# KiCad board RUSP_Mainboard.kicad_pcb (continued)
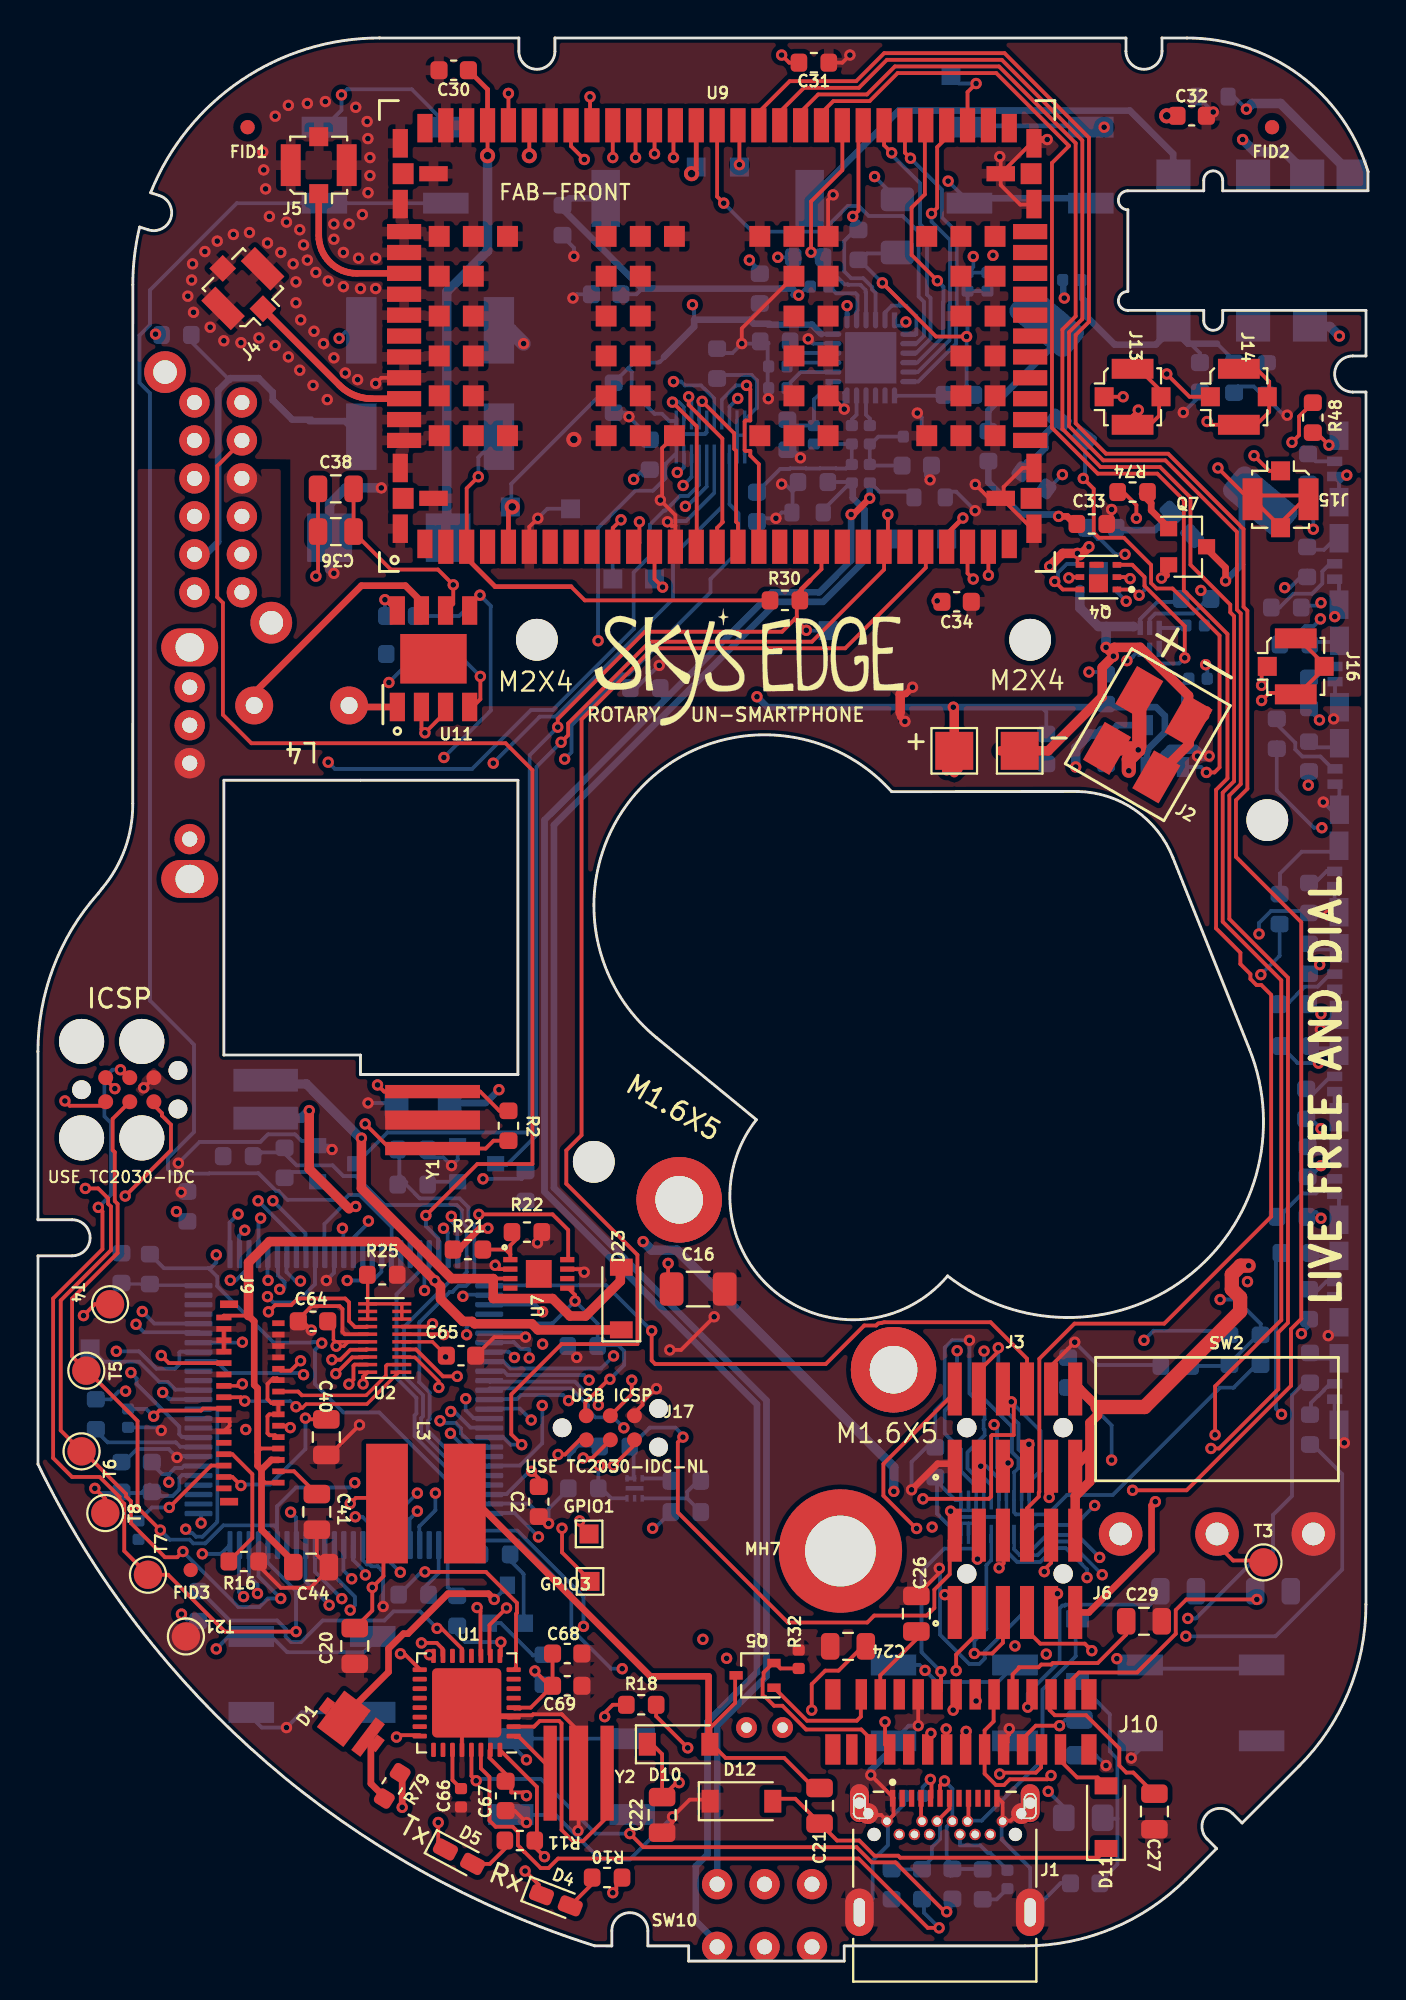
[diagram p0: board, top side]
## Routing (per net, layer and track width the routed paths; a pad name or vN(x,y) marks a point on that pad's centre or on a via; arc(x,y) is an arc through that point) (continued)
/3v3_EN: length 35.3
  L2_3v3+GNDA.Cu w0.2: v1(32.4,22.8) 31.2,21.6 16.94,21.6 13,25.55 13,26.63 12.7,26.93 12.7,35.2 ; v1(12.74,35.39) 12.74,35.34 12.65,35.25 12.7,35.2
  L6_GND.Cu w0.2: R19.2 32.51,22.8 v1(32.4,22.8) ; 12.65,37.35 12.65,36.12 13,35.77 13,35.5 12.7,35.2
/12v_EN: length 19.4
  L1_GND+GNDA.Cu w0.2: v1(23.24,39.33) 27.13,39.33 27.95,38.51 27.95,36.95
  L2_3v3+GNDA.Cu w0.2: v1(13.84,35.82) 14.62,36.6 20.51,36.6 v1(23.24,39.33)
  L6_GND.Cu w0.2: v1(13.84,35.82) 13.58,35.82 13.1,36.3 13.1,37.25
/EPAPER DRIVER/VDD: length 8.7
  L1_GND+GNDA.Cu w0.2: C29.1 57.36,17.2 55.86,15.7 53.49,15.7 53.41,15.62 52.89,15.62 52.74,15.47 51.7,15.47 51.7,15.42 51.37,15.1 51.37,14.03
GND: length 255
  L1_GND+GNDA.Cu w0.18: v1(54.79,74.15) 54.79,73.68 54.94,73.53
  L1_GND+GNDA.Cu w0.2: v1(18.29,71.71) 18.86,71.14 U11.8 ; v1(51.2,12.24) 51.2,11.94 51.11,11.85 51.11,11.51 50.87,11.28 ; v1(26.33,37.83) 26.33,37.98 26.26,38.05 ; U2.15 16.18,33.02 16.05,33.15 16.05,34.35 15.9,34.5 14.42,34.5 13.62,33.7 ; v1(35.65,33.94) 33.9,32.19 v1(33.31,32.19) ; J9.29 J9.27 J9.25 ; 15.16,26.66 C40.2 15.37,26.66 v1(16.95,28.24) ; U1.33 23.25,12.95 26.05,12.95 26.1,13 27.61,13 ; v1(43.9,9.8) 45.1,8.6 45.1,7.7 44.8,7.4 ; C41.2 14.7,21.4 15.15,20.95 ; 7.34,26.62 7.34,26.54 v1(7.33,26.53) 7.33,26.55 7.21,26.67 ; v1(14.41,33.24) 13.95,33.7 C64.2 ; v1(28.79,36.29) 28.63,36.45 U7.7 ; J9.11 10.1,28.2 10.1,28.4 10,28.5 J9.13 ; J9.20 12.67,30.62 12.6,30.7 12.4,30.7 12.1,30.4 12.1,29.6 12.3,29.4 J9.16 J9.14 12.2,28.8 12.1,28.7 12.1,27.8 12.2,27.7 12.5,27.7 12.6,27.6 J9.10 ; 15.3,20.6 14.36,19.66 12.8,19.66 11.64,20.82 R16.2 ; U1.28 22.35,12.55 22.6,12.8 ; 23.5,13.35 24,12.85 U1.3 ; C65.2 24.05,32.87 v1(25.7,32.87) ; v1(54.65,32.6) 53.45,31.4 53.45,30.05 ; Q7.2 59.6,73.23 v1(59.22,72.85) ; 44.3,7.69 44.3,7.69 44.45,7.69 44.75,7.39 ; v1(47.51,20.69) 47.51,20.45 C26.2 ; v1(26.92,23.05) 26.4,23.57 26.4,23.72 ; 13.8,33.7 13.9,33.6 ; U7.2 24.3,36.45 v1(24.1,36.65) ; v1(47.8,19.3) 48.33,18.78 48.33,18.36 ; C22.1 33.45,7.31 v1(33.45,7.6) 34.35,8.5 35.55,8.5 ; 31.23,28.73 J17.6 31.44,28.88 31.87,29.3 31.87,29.47 32.55,30.15 v1(32.6,30.15) ; C38.1 14.76,73.06 v1(14.65,72.95) ; v1(28.46,6.86) 28.5,6.9 Y2.2 28.5,12.11 27.6,13.01 ; J10.8 v1(46.4,12.4) ; 50.55,8.65 50.85,8.35 50.85,7.39 51.27,7.39 51.38,7.5 51.38,7.5 ; v1(25.75,7.3) 25.14,7.91 24.95,7.91 ; J7.6 v1(5.58,46)
  L1_GND+GNDA.Cu w0.35: NT2.1 45.45,65.55 v1(45.7,65.3) ; J3.1 48.33,26.17 48.3,26.2 47.42,26.2 v1(46.05,24.82) ; v1(59.22,72.85) 59.37,73 59.5,73
  L1_GND+GNDA.Cu w0.5: v1(53.33,73.46) 54.02,74.15 v1(54.79,74.15) ; 54.92,74.02 v1(55.4,74.5)
  L2_3v3+GNDA.Cu w0.2: v1(7.4,42.03) 7.4,43.65 5.58,45.48 v1(5.58,46)
  L6_GND.Cu w0.18: 31.85,25.42 31.92,25.42 31.92,25.42 ; U8.15 50.25,25.07
  L6_GND.Cu w0.2: 50.05,88.9 50.02,88.93 C58.2 49.3,89.24 v1(49.3,89.79) ; 24.6,7.7 27.29,7.7 29.64,5.35 31.2,5.35 v1(33.45,7.6) ; v1(67.6,49.07) 68.37,49.85 68.58,49.85 68.58,51.02 68.4,51.2 ; 68.35,56.55 68.35,55.42 v1(68.02,55.09) ; SW8.2 13.9,13.1 v1(13.1,12.3) 11.8,12.3 11.2,12.9 ; C43.1 6.33,28.11 v1(6.5,27.95) ; 15.2,96.7 16,97.5 v1(16,98.3) 16.3,98.6 19.7,98.6 21.7,96.6 ; v1(46.4,12.4) 45.9,12.4 SW6.2 ; C9.2 50.54,3.25 51.1,3.81 ; 68.35,78.15 68.58,77.92 68.58,76.85 ; 33.37,25.42 31.92,25.42 31.92,25.42 ; v1(68.86,27.3) 68.58,27.58 68.58,28.25 ; v1(28.4,31.8) 27.92,32.27 C6.2 ; 43.2,2.5 44,3.3 44,5.3 44.8,6.1 44.8,7.45 ; v1(15.2,35.85) 15.6,36.25 15.6,37.2 ; 28,26.36 28,26.61 28.27,26.89 28.27,26.96 28.48,27.16 29.55,27.16 C72.1 ; 7.88,40.23 7.61,40.5 v1(7.55,40.5) ; SW3.2 58.1,11.17 v1(57.63,10.69) ; v1(67.75,61.05) 68.15,60.65 68.6,60.65 68.6,61.8 68.45,61.95 ; 50.25,25.07 49.81,25.52 49.43,25.52 49,25.95 49,26.8 49.9,27.7 49.9,27.98 49.85,28.03 49.85,28.49 49.9,28.54 49.9,29.1 49.1,29.9 v1(49.1,32.7) 48.19,32.7 47.8,32.31 47.8,29.5 47.3,29 R75.2 46.83,27.06 46.05,26.29 v1(46.05,24.82) ; v1(61.55,68.29) 61.64,68.2 R14.1 ; 4.45,26.2 5.23,26.98 6.89,26.98 v1(7.33,26.53) 7.4,26.6 8.5,26.6 ; 68.6,66.05 68.3,65.75 v1(68.3,65.44) ; v1(45.75,86.34) 45.55,86.14 U12.12 ; v1(7.4,42.03) 8.52,43.15 11.73,43.15 12.13,43.55 13.55,43.55 13.9,43.2 14.35,43.2 ; 47.5,27.04 47.42,27.11 ; 44.8,7.4 45.67,8.26 R5.2 ; 51.9,18.3 49.91,16.31 49.91,15.94 49.62,15.65 49.09,15.65 47.55,17.2 47.55,20.65 v1(47.51,20.69) ; v1(68.36,70.82) 68.58,71.04 68.58,72.72 68.45,72.85 ; 59,31.4 55.85,31.4 v1(54.65,32.6) 54.3,32.25 54.3,31.48 ; v1(18.29,71.71) 18.29,70.96 18.3,70.95 ; 20.36,42.32 21.38,42.32 v1(21.8,41.9) 22.12,42.23 Q1.2 ; 28,24.9 26.92,23.82 v1(26.92,23.05) 25.87,24.1 23.75,24.1 ; v1(51.2,12.24) 51.5,11.94 SW6.2 ; C25.2 55.76,10.84 v1(56.3,10.3) ; v1(37.5,89.6) 38.15,88.95 38.15,88.85 ; 68.37,67.4 68.37,66.33 68.55,66.15 ; 68.58,77.86 v1(68.99,78.27) ; D25.4 68.58,44.2 ; 68.35,40.4 68.58,40.17 68.58,39.05 ; 54.71,4.1 53.9,4.1 52.5,2.7 52.2,2.7 ; 68.55,44.45 68.35,44.65 D25.2 ; 68.58,33.65 68.01,33.08 v1(68.01,32.95) ; C57.2 v1(44.1,94) ; v1(15.87,85.48) 16.19,85.8 17.05,85.8 ; Q6.2 24.4,17.8 26.1,16.1 26.85,16.1 ; 23.75,33.1 25.47,33.1 v1(25.7,32.87) ; 55.7,96.6 v1(56.2,96.6) ; 47.42,27.1 47.48,27.05 ; 68.65,28.05 68.35,28.35 68.35,29.6 ; 17.1,21.95 17.1,21.14 17.35,20.89 17.49,20.89 17.58,20.8 17.91,20.8 18.2,20.51 v1(18.2,18.68) ; v1(15.5,42.75) 15.3,42.95 Q2.2 ; 25.8,7.6 25.8,7.35 v1(25.75,7.3) ; 50.85,7.39 51,7.25 50.8,7.04 50.8,6.41 52.3,4.91 52.3,2.5 ; C17.2 v1(17.4,45.2) ; 68.58,55.25 68.18,55.25
  L6_GND.Cu w0.25: 48.9,96.6 48.98,96.68 55.62,96.68 55.7,96.6
  L6_GND.Cu w0.35: v1(43.9,9.8) 43.91,9.81 43.91,10.06 44.9,11.05
  L6_GND.Cu w0.5: U5.2 59.4,63.53 59.7,63.83 61,63.83 61.12,63.7 v1(61.12,63.47) 61.12,63.48 v1(61.73,63.48)
GNDA: length 81.6
  L1_GND+GNDA.Cu w0.2: U9.121 32.9,79.7 32.9,77.05 v1(32.81,76.96) 33.6,76.16 33.6,75.6 ; v1(26.35,76) 25.9,75.55 U9.6 ; U9.136 41.65,92.77 v1(41.91,93.04) ; C31.2 42.4,100 v1(42.8,100.4) ; U9.32 51.9,78.65 50.9,77.65 50.9,77.1 ; v1(37.1,85.2) 37.1,86 U9.129 ; U9.152 50.75,93.55 51.77,92.52 52.45,92.52 ; U9.152 52.48,95.88 ; U9.152 50.75,95 v1(50.7,95.05) ; 33.6,75.6 33.4,75.6 v1(33.18,75.82) ; 33.6,75.6 U9.13 ; U9.86 18.1,83.4 v1(17.8,83.1) ; U9.30 52.3,75.65 52.2,75.65 50.95,76.9 50.95,77.2 ; 17.5,95.89 v1(17.39,96) ; 41.77,82.27 41.98,82.27 v1(42.5,81.75) ; U9.145 50.14,77.05 v1(49.41,77.78) ; v1(56.59,76.46) 56.59,75.94 56.4,75.75 ; 15.05,85 v1(15.05,85.2)
  L1_GND+GNDA.Cu w0.35: U9.46 52.7,95.95 v1(53.2,95.95) ; NT2.2 45.75,66.75 v1(46.1,67.1) ; 61.75,97.2 v1(61.95,97.4)
  L6_GND.Cu w0.18: U10.15 35.65,77.34
  L6_GND.Cu w0.2: v1(40.6,85.45) 40.85,85.2 U12.5 ; 46.81,78.77 46.81,78.24 v1(47.02,78.02) ; 39.77,76.47 39.77,77.41 ; 39.77,77.41 40.33,77.96 ; 39.77,77.41 39.38,77.8 v1(39.2,77.8) ; 38.5,85.25 38.46,85.21 38.46,82.33 v1(38.5,82.3) ; v1(61.95,97.4) 61.14,98.21 61.08,98.21 ; 63.2,82.94 64.09,82.94 64.5,82.53 ; 35.65,77.34 34.16,75.85 33.22,75.85 v1(33.18,75.82) ; 47.87,77.4 48.4,77.4 v1(49.4,76.4) ; v1(32.75,68.25) 32.73,68.25 31.53,67.05 ; C49.2 38.12,75.82 38.3,76 v1(38.9,76) 39.2,76.3 D16.2 ; 28.05,76.5 26.85,76.5 v1(26.35,76) ; v1(42.5,81.75) 42.5,82.61 U12.24 ; v1(46.35,81.54) 46.58,81.31 46.58,80.3 ; C42.2 32.25,80.25 v1(31.15,81.35) 30.94,81.56 C39.2 ; 64.6,82.5 65.67,81.43 v1(65.85,81.43) ; 27.65,90.85 28.25,90.25 v1(28.25,89.8) ; v1(28.2,87.6) 28.4,87.8 C61.2 ; v1(40.19,79.19) 40.19,79.22 39.5,79.91 ; R33.2 35.8,84.9 36,84.7 36.6,84.7 v1(37.1,85.2) 38.52,85.2 ; C60.2 61.25,82.45 v1(60.37,81.57)
  L6_GND.Cu w0.5: v1(15.6,73.1) 15.38,73.32 15.38,76.75 16.22,77.6 v1(18.1,77.6)
  L6_GND.Cu w0.75: C37.2 24.9,85.9 v1(25.6,85.2)
  vias: v1(7.9,87.7) v1(8.15,89.4) v1(8.1,88.55) v1(8.2,86.85) v1(8.8,90.05) v1(9.08,86.07) v1(9.45,90.6) v1(9.8,85.35) v1(10.3,90.95) v1(10.7,85.25) v1(11.15,91.05) v1(11.65,85.5) v1(11.85,95.3) v1(11.9,94.35) v1(12,93.35) v1(12.1,90.5) v1(12.2,91.9) v1(12.51,97.18) v1(12.5,85.1) v1(12.8,90) v1(13.1,91.6) v1(13.2,97.75) v1(13.2,84.5) v1(13.45,89.4) v1(13.6,88.45) v1(13.6,87.35) v1(13.8,91.2) v1(13.85,86.45) v1(13.8,83.8) v1(14,90.4) v1(14.2,97.85) v1(14.2,89.6) v1(14.55,85.85) v1(14.5,83) v1(14.65,88.95) v1(15.15,97.95) v1(15.3,88.5) v1(15.25,82.25) v1(15.6,91.5) v1(15.6,90.7) v1(15.6,84.45) v1(16.1,90) v1(16.1,88.2) v1(16.2,83.65) v1(16.4,91.5) v1(16.75,97.65) v1(16.9,89.7) v1(16.85,83.3) v1(17,88.1) v1(17.1,92) v1(17.35,96.9) v1(17.4,93.15) v1(17.5,95) v1(17.5,94.05) v1(17.8,89.7) v1(17.8,88.1) v2(28.25,80.15)
VBUS: length 125.1
  L1_GND+GNDA.Cu w0.2: 49.59,17.34 48.4,16.14 v1(48.4,15.3) ; v1(25.75,8.71) 25.58,8.88 24.95,8.88 24.95,9.56 23.8,10.71 23.8,11.1
  L2_3v3+GNDA.Cu w0.2: 48.75,13.55 48.75,14.95 v1(48.4,15.3) ; 48.75,13.55 53.25,9.05 v1(53.25,8.94) ; 48.75,13.55 48.53,13.77 45.43,13.77 45.06,13.4 41.78,13.4 39.08,10.7 34.53,10.7 34.52,10.68 32.58,10.68 30.61,8.71 v1(25.75,8.71)
  L3_3v8+GNDA.Cu w0.2: v1(54,78.3) 55.95,76.35 55.95,74.27 55.75,74.07 55.75,68.97 55.95,68.77 55.95,64.15 v1(54.7,62.9)
  L4_GND.Cu w0.5: v1(54.7,62.9) 55.12,62.9 56.02,62 58.1,62 65.22,54.88 65.22,39.07 60.51,34.36 60.51,32.67 51.77,23.93 51.77,19.71 48.4,16.33 v1(48.4,15.3)
  L6_GND.Cu w0.2: v1(54,78.3) 53.25,77.55 R17.2 ; L1.2 54.08,8.12 v1(53.25,8.94)
  L6_GND.Cu w0.35: U5.4 56.9,65.1 56.35,64.55
  L6_GND.Cu w0.5: C12.1 55.44,64.64 54.7,63.9 v1(54.7,62.9)
+BATT: length 133.5
  L1_GND+GNDA.Cu w0.5: J6.12 54.67,24.49 55.45,25.26 55.45,28.35 55.85,28.75 55.85,29.19 54.9,30.13 J3.12 ; 48.3,62.6 TP2.1 48.3,66 v1(48.25,66.05) ; 47.9,62.7 48.7,63.5 48.45,63.75 ; 48.3,63.2 48.2,63.1 48.5,62.8 ; J3.11 55.45,26.84
  L1_GND+GNDA.Cu w0.75: v1(63.82,36.63) 63.39,36.63 62.93,36.17 62.93,35.39 63.37,34.96 63.37,34.22 58.33,29.19 55.85,29.19 ; 57.92,63.88 58.05,64.01 J2.2 ; 57.92,63.88 v1(58,63.8) 57.5,63.3 v1(57.5,62.7) ; 57.92,63.88 J2.2
  L2_3v3+GNDA.Cu w0.35: v1(37.9,66.6) 26.9,66.6 12.38,81.12 12.38,82.64 11.74,83.28 10.08,83.28 9.5,82.7 9.5,80.85 8.7,80.05
  L5_3v8.Cu w0.75: v1(58,63.8) 58,62.1 65.34,54.76 65.34,38.15 v1(63.82,36.63) ; v1(57.5,62.7) 58,63.2
  L6_GND.Cu w0.2: C13.2 53.15,65.8 52.9,66.05
  L6_GND.Cu w0.35: v1(37.9,66.6) 38.45,66.05 v1(48.25,66.05) 58.94,66.05 59.4,65.59 59.4,64.73 58.45,63.78 U5.3
  L6_GND.Cu w0.5: 57.98,63.78 v1(58,63.8) ; 57.98,63.78 58.45,63.78 ; 57.98,63.78 57.5,63.3 v1(57.5,62.7)
/AREF: length 4
  L1_GND+GNDA.Cu w0.2: v1(26.02,25.8) 26.4,25.42 26.4,24.7
  L6_GND.Cu w0.2: 23.75,24.6 24.7,24.6 25.9,25.8 v1(26.02,25.8)
/AUDIO/BLCK: length 16.3
  L1_GND+GNDA.Cu w0.2: 45.7,96.75 45.7,95.26 v1(45.99,94.97)
  L6_GND.Cu w0.2: U12.18 46.4,83.2 48.4,85.2 48.4,87.08 48.43,87.11 48.43,91.07 47.65,91.85 47.65,93.31 v1(45.99,94.97)
/AUDIO/LRCLK: length 15.3
  L1_GND+GNDA.Cu w0.2: 47.95,96.8 47.95,96.1 47.4,95.55 47.4,92.35 v1(47.1,92.05)
  L6_GND.Cu w0.2: v1(47.1,92.05) 47.1,91.63 48.08,90.65 48.08,87.26 48.05,87.23 48.05,85.38 46.37,83.7 U12.17
/AUDIO/MCLK: length 23.3
  L1_GND+GNDA.Cu w0.2: U9.61 35.8,92.95 v1(36.15,92.6)
  L6_GND.Cu w0.2: v1(36.15,92.6) 37.65,91.1 41.63,91.1 41.67,91.15 41.67,91.44 42.69,92.45 43.26,92.45 43.79,91.92 45.58,91.92 46.43,91.07 46.43,87.68 46.7,87.4 46.7,85.61 46.29,85.2 U12.14
/AUDIO/SCL: length 12.4
  L1_GND+GNDA.Cu w0.2: v1(42.95,91.9) 43.25,92.2 43.25,96.55 43.6,96.9
  L6_GND.Cu w0.2: U12.10 44.15,87.87 43.97,88.05 43.97,88.17 43.5,88.64 42.86,88.64 42.5,89.01 42.5,90.6 43.1,91.2 ; 43.25,91.25 43.25,91.6 v1(42.95,91.9)
/AUDIO/SDA: length 12.8
  L1_GND+GNDA.Cu w0.2: v1(40.75,90.02) 40.75,92.69 42.4,94.34 U9.55
  L6_GND.Cu w0.2: U12.9 43.65,87.88 43.62,87.9 43.62,88.03 43.36,88.29 42.72,88.29 42.69,88.32 42.51,88.32 41.7,89.14 41.7,89.2 ; R36.2 41.02,89.75 v1(40.75,90.02) ; 41.68,89.2 41.68,89.51
/AUDIO/SDIN: length 15
  L1_GND+GNDA.Cu w0.2: 46.75,96.85 46.75,93.06 46.05,92.36 46.05,89.87 v1(47.41,88.51)
  L6_GND.Cu w0.2: U12.16 46.35,84.2 47.7,85.55 47.7,87.37 47.73,87.4 47.73,88.19 v1(47.41,88.51)
/AUDIO/SDOUT: length 14
  L1_GND+GNDA.Cu w0.2: v1(45,95.25) 44.6,95.65 U9.53
  L6_GND.Cu w0.2: U12.15 46.29,84.7 47.05,85.46 47.05,87.6 46.86,87.79 46.86,91.13 46.5,91.49 46.5,93.64 45,95.14 v1(45,95.25)
/CELL MODEM/ANT1: length 7.8
  L1_GND+GNDA.Cu w0.35: U9.81 16.8,88.9 16.6,88.91 16.41,88.94 16.22,88.99 16.03,89.05 15.86,89.14 15.69,89.24 15.53,89.35 15.39,89.49 15.25,89.63 15.14,89.79 15.04,89.96 14.95,90.13 14.89,90.32 14.84,90.51 14.81,90.7 14.8,90.9 J5.1
/CELL MODEM/ANT2: length 9.3
  L1_GND+GNDA.Cu w0.35: U9.87 17.6,82.3 17.48,82.3 17.36,82.31 17.25,82.33 17.13,82.35 17.01,82.37 16.9,82.4 16.79,82.44 16.68,82.48 16.57,82.53 16.46,82.59 16.36,82.64 16.26,82.71 16.16,82.78 16.07,82.85 15.98,82.93 15.89,83.01 J4.1
/CELL MODEM/CTS_1v8: length 10.2
  L1_GND+GNDA.Cu w0.2: v1(34.3,82.4) 34.3,81.98 36.08,80.2 36.08,75.82 36.1,75.8 35.8,75.5 U9.15
  L6_GND.Cu w0.18: U10.3 34.45,82.25 v1(34.3,82.4)
  L6_GND.Cu w0.2: 34.4,82.3 v1(34.3,82.4)
/CELL MODEM/DCD_1v8: length 2.3
  L1_GND+GNDA.Cu w0.2: v1(32.93,72.37) T9.1 U9.12
/CELL MODEM/DSR_1v8: length 4.9
  L1_GND+GNDA.Cu w0.2: U9.10 30.3,75.49 v1(30.73,75.92)
  L6_GND.Cu w0.2: v1(30.73,75.92) 30.3,75.49 30.3,72.75
/CELL MODEM/HOST_SELECT0: length 3.3
  L1_GND+GNDA.Cu w0.25: U9.26 47.9,75.16 v1(48.76,76.01)
  L6_GND.Cu w0.2: T10.1 47.9,75.16 v1(48.76,76.01)
/CELL MODEM/HOST_SELECT1: length 2.6
  L1_GND+GNDA.Cu w0.25: U9.62 34.7,94.4 v2(34.45,94.15)
/CELL MODEM/RI_1v8: length 12
  L1_GND+GNDA.Cu w0.2: 31.4,74.4 31.7,74.7 v1(31.7,75.81)
  L2_3v3+GNDA.Cu w0.2: v1(31.7,75.81) 32.25,76.37 33.05,76.37 33.86,77.18 34.27,77.18 36.89,79.8 v1(36.89,82.31)
  L6_GND.Cu w0.18: 36.45,81.87 36.45,81.37
  L6_GND.Cu w0.2: 36.45,81.87 v1(36.89,82.31)
/CELL MODEM/RTS_1v8: length 9.8
  L1_GND+GNDA.Cu w0.2: 34.73,74.45 34.73,80.84 v1(33.45,82.12)
  L6_GND.Cu w0.18: v1(33.45,82.12) 33.79,82.12 34.05,81.86 U10.2
  L6_GND.Cu w0.2: 33.68,82.12 v1(33.45,82.12)
/CELL MODEM/RXD_1v8: length 12
  L1_GND+GNDA.Cu w0.2: U9.17 38,78.85 37.55,79.3 37.55,79.55 37.3,79.55 37.25,79.6 37.25,81.1 37.3,81.15 37.55,81.15 37.55,82.8 v1(37.35,83)
  L6_GND.Cu w0.18: U10.7 36.05,82.25
  L6_GND.Cu w0.2: 36.05,82.25 36.8,83 v1(37.35,83)
/CELL MODEM/SDIO-CLK: length 37.3
  L1_GND+GNDA.Cu w0.2: v1(32.5,95.2) 32.5,96.6 ; v1(59.5,83.6) 60.7,82.4 J14.1
  L3_3v8+GNDA.Cu w0.2: v1(59.5,83.6) 59.3,83.4 45.11,83.4 40.65,87.86 40.65,88.01 39.77,88.89 37.09,88.89 32.5,93.49 v1(32.5,95.2)
/CELL MODEM/SDIO-CMD: length 45.5
  L1_GND+GNDA.Cu w0.2: v1(61.63,81.1) 61.8,80.92 J14.2 64.23,80.92 64.9,81.6 64.9,83.2 64.3,83.8 63.3,83.8 ; v1(31.5,95) 31.5,96.8
  L3_3v8+GNDA.Cu w0.2: v1(61.63,81.1) 59.69,83.03 42.66,83.03 42.59,83.1 42.13,83.1 31.5,93.74 v1(31.5,95)
/CELL MODEM/SDIO-D0: length 35.3
  L1_GND+GNDA.Cu w0.2: v1(30.3,95) 30.3,96.6 ; v1(57.2,82.4) J13.1
  L3_3v8+GNDA.Cu w0.2: v1(30.3,95) 30.3,93.96 41.81,82.45 57.15,82.45 v1(57.2,82.4)
/CELL MODEM/SDIO-D1: length 43.4
  L1_GND+GNDA.Cu w0.2: v1(28.8,94.9) 28.1,95.6 U9.68 ; v1(58,81.7) 57.7,81.4 J13.2 58.62,80.92 59.1,81.4 59.1,82.8 58.1,83.8 57.7,83.8
  L3_3v8+GNDA.Cu w0.2: v1(58,81.7) 57.15,80.85 42.54,80.85 41.7,81.69 41.7,81.88 29.43,94.15 29.43,94.27 v1(28.8,94.9)
/CELL MODEM/SDIO-D2: length 42.4
  L1_GND+GNDA.Cu w0.2: 33.7,96.8 33.5,96.6 v1(33.5,95) ; v1(64.1,79.3) 64.9,78.5 J15.1
  L3_3v8+GNDA.Cu w0.2: v1(64.1,79.3) 64.1,81.72 61.04,84.78 44.26,84.78 42.1,86.94 42.1,87.42 34.52,95 v1(33.5,95)
/CELL MODEM/SDIO-D3: length 57.9
  L1_GND+GNDA.Cu w0.2: J15.2 65.5,75.75 66.6,76.85 ; v1(29.1,98.2) 29.1,96.8 29.3,96.6 ; 65.5,75.55 64.25,76.8 ; 66.5,77.2 63.65,77.2 v1(62.2,78.65)
  L3_3v8+GNDA.Cu w0.2: v1(29.1,98.2) 35.74,98.2 46.75,87.19 48.23,87.19 49.58,85.84 60.48,85.84 64.65,81.66 64.65,78.77 64.53,78.65 v1(62.2,78.65)
/CELL MODEM/TXD_1v8: length 9.5
  L1_GND+GNDA.Cu w0.2: U9.16 36.9,75.71 36.8,75.81 36.8,79.56 36.7,79.66 36.7,80.48 36.69,80.48 v1(35.01,82.16)
  L6_GND.Cu w0.18: v1(35.01,82.16) 34.85,82 U10.4
/CELL MODEM/USB_D+: length 21.7
  L1_GND+GNDA.Cu w0.2: 64.9,68.2 64.5,67.8 v1(64.5,67.2) ; v1(50.1,73) 50.1,74.6
  L2_3v3+GNDA.Cu w0.2: v1(64.5,67.2) 64.05,66.75 55.74,66.75 54.85,67.64 54.85,70.65 53.38,72.12 50.98,72.12 v1(50.1,73)
/CELL MODEM/USB_D-: length 27.6
  L1_GND+GNDA.Cu w0.2: v1(49.3,72.8) 49,73.1 U9.27 ; 65.9,66.8 64.9,66.8 v1(64.5,66.4) ; 66.1,69.6 66.5,69.6 67.9,68.2 66.42,66.72 J16.2
  L2_3v3+GNDA.Cu w0.2: v1(49.3,72.8) 50.33,71.77 53.23,71.77 54.5,70.51 54.5,67.49 55.59,66.4 v1(64.5,66.4)
/CELL MODEM/V_BCKP: length 24
  L1_GND+GNDA.Cu w0.2: 28.1,72.4 28.83,71.67 R30.1 ; U9.3 22.6,77.58 v1(23.21,78.19)
  L1_GND+GNDA.Cu w0.25: 28.1,72.4 24.1,72.4 22.6,73.9 U9.3
  L6_GND.Cu w0.2: C37.1 23.21,79.21 v1(23.21,78.19)
/CELL_CTS: length 61.3
  L5_3v8.Cu w0.2: v1(34.01,77.73) 35.1,76.63 35.1,69.2 26.38,60.48 26.38,45.45 24.98,44.05 24.98,38.85 25.43,38.4 25.43,37.42 24.65,36.64 24.65,36.42 24.2,35.97 24.2,29.21 22.79,27.8 v1(21.74,27.8)
  L6_GND.Cu w0.18: U10.18 34.45,78.17
  L6_GND.Cu w0.2: 23.8,26.57 22.97,26.57 v1(21.74,27.8) ; 34.45,78.17 v1(34.01,77.73)
/CELL_ON: length 30.6
  L6_GND.Cu w0.2: 13,42.6 11.8,42.6 11.65,42.45 ; 13.02,42.52 13.63,41.92 15.53,41.92 16.1,41.35 16.75,41.35 18.28,39.82 22.08,39.82 22.34,39.56 22.34,38.92 22.6,38.66 22.6,36.29 22.41,36.1 21.99,36.1 19.3,33.41 19.3,30.8 20.3,29.8 20.3,28.7 20.2,28.6 20.2,27.8 22.91,25.1 23.8,25.1
/CELL_PWR_DET: length 60.5
  L4_GND.Cu w0.2: v1(26.58,29.27) 24.57,31.28 24.57,32.02 24.7,32.16 24.7,39.96 28.15,43.41 28.15,61.21 29.52,62.58 v1(29.52,69.55)
  L6_GND.Cu w0.2: v1(26.58,29.27) 26.58,27.28 25.4,26.1 23.75,26.1 ; 33.6,79.38 33.08,78.86 33.08,78.11 32.41,77.45 31.49,77.45 29.52,75.49 v1(29.52,69.55)
/CELL_RESET: length 23.6
  L6_GND.Cu w0.2: 19.42,41.02 19.05,41.4 19.05,42.8 ; 23.62,25.62 22.87,25.62 20.55,27.95 20.55,28.45 20.65,28.55 20.65,29.95 20.1,30.5 20.1,33.65 21.7,35.25 21.85,35.25 22.17,35.57 22.57,35.57 23,36 23,38.76 22.69,39.07 22.69,39.71 22.22,40.17 20.12,40.17 19.35,40.95 19.35,41.02
/CELL_RI: length 84.2
  L4_GND.Cu w0.2: v1(27.76,63.32) 27,62.55 27,45.56 21,39.56 21,39.01 17.29,35.3 14.09,35.3 12.09,33.3 9.09,33.3 4.85,29.06 4.85,24.97 6.47,23.35 6.86,23.35 7.22,22.99 7.22,22.38 7.48,22.12 7.87,22.12 7.89,22.1 11.77,22.1 v1(13.32,23.65)
  L6_GND.Cu w0.18: U10.13 36.45,76.74
  L6_GND.Cu w0.2: v1(27.76,63.32) 28.12,63.68 28.12,65.09 30.81,67.78 31.13,67.78 35.45,72.1 35.45,72.8 36.93,74.28 36.93,76.26 36.45,76.74 ; v1(13.32,23.65) 13.6,23.37 13.6,21.95
/CELL_RTS: length 64.8
  L5_3v8.Cu w0.2: v1(33.7,78.41) 34.12,78.41 35.48,77.06 35.48,69.08 26.73,60.33 26.73,45.3 25.33,43.9 25.33,38.99 25.78,38.54 25.78,37.06 24.55,35.83 24.55,29.06 22.74,27.25 21.42,27.25 21.19,27.48 v1(21.19,28.46)
  L6_GND.Cu w0.18: U10.19 34.05,78.68
  L6_GND.Cu w0.2: v1(21.19,28.46) 21.3,28.35 22.01,28.35 22.29,28.06 22.29,27.8 23,27.1 23.73,27.1 ; v1(33.7,78.41) 33.78,78.41 34.05,78.68
/CELL_RXD: length 74.4
  L2_3v3+GNDA.Cu w0.2: v1(24,63.1) 23.7,62.8 17.61,62.8 16.71,63.7 10.4,63.7 5.4,58.7 5.4,51.31 8.4,48.31 8.4,37.91 4.87,34.38 4.87,33.84 v1(5.17,33.54)
  L6_GND.Cu w0.18: U10.14 36.05,76.6
  L6_GND.Cu w0.2: 36.05,76.6 33.48,74.03 33.48,71.75 27.28,65.55 26.45,65.55 v1(24,63.1) ; v1(5.17,33.54) 5.58,33.13 8.5,33.13
/CELL_TXD: length 72
  L2_3v3+GNDA.Cu w0.2: v1(5.5,34.22) 8.75,37.47 8.75,48.45 5.75,51.45 5.75,58.56 10.49,63.3 15.15,63.3 v1(15.3,63.15)
  L6_GND.Cu w0.18: U10.17 34.85,77.76
  L6_GND.Cu w0.2: v1(15.3,63.15) 15.65,62.8 22.89,62.8 25.99,65.9 27.14,65.9 31.4,70.16 31.4,73.15 32.25,74 32.25,75.66 33,76.41 33.07,76.41 33.85,77.18 34.27,77.18 34.85,77.76 ; 8.5,33.58 6.14,33.58 v1(5.5,34.22)
/EPAPER DRIVER/EPD_CS_3v3: length 22.6
  L1_GND+GNDA.Cu w0.2: v1(48.24,13.22) 48.4,13.38 J10.12
  L3_3v8+GNDA.Cu w0.2: v1(56.1,20.35) 54.7,21.75 53.01,21.75 50.3,19.04 50.3,13.74 49.71,13.15 48.31,13.15 v1(48.24,13.22)
  L6_GND.Cu w0.18: U8.3 51.45,21.69
  L6_GND.Cu w0.2: v1(56.1,20.35) 54.35,22.1 53.42,22.1 52.69,21.38 51.76,21.38 51.45,21.69
/EPAPER DRIVER/EPD_DC_3v3: length 23.2
  L1_GND+GNDA.Cu w0.2: J10.11 47.9,12.2 v1(47.87,12.22)
  L3_3v8+GNDA.Cu w0.2: v1(55.3,20.2) 55.3,20.62 54.52,21.4 53.15,21.4 52.35,20.6 52.35,14.5 50.52,12.67 48.33,12.67 v1(47.87,12.22)
  L6_GND.Cu w0.18: U8.4 51.05,21.59
  L6_GND.Cu w0.2: 51.05,21.59 51.61,21.03 52.84,21.03 53.56,21.75 54.17,21.75 55.3,20.62 v1(55.3,20.2)
/EPAPER DRIVER/EPD_MOSI_3v3: length 19.3
  L1_GND+GNDA.Cu w0.2: v1(49.45,13.7) 49.4,13.75 J10.14
  L3_3v8+GNDA.Cu w0.2: v1(49.45,13.7) 49.95,14.2 49.95,19.19 52.86,22.1 55.13,22.1 v1(55.96,21.26)
  L6_GND.Cu w0.18: 51.9,21.73 51.85,21.78 U8.2
  L6_GND.Cu w0.2: v1(55.96,21.26) 54.78,22.45 53.18,22.45 52.46,21.73 51.9,21.73
/EPAPER DRIVER/EPD_RES_3v3: length 11.4
  L1_GND+GNDA.Cu w0.2: 47.42,14.07 47.6,14.25 v1(47.6,15.25)
  L6_GND.Cu w0.18: U8.7 49.85,21.78
  L6_GND.Cu w0.2: 49.85,21.78 49.8,21.73 47.77,21.73 46.57,20.53 46.57,16.28 v1(47.6,15.25)
/EPAPER DRIVER/EPD_SCK_3v3: length 19.8
  L1_GND+GNDA.Cu w0.2: J10.13 48.9,12.07 v1(48.92,12.1)
  L4_GND.Cu w0.2: 48.84,14.74 52.27,18.17 52.27,20.64 55.63,24 v1(55.7,24) ; v1(48.92,12.1) 48.85,12.17 48.85,14.75
  L6_GND.Cu w0.18: U8.1 52.7,22.97
  L6_GND.Cu w0.2: 52.7,22.97 54.67,22.97 v1(55.7,24)
/EPAPER DRIVER/GDR: length 6.8
  L1_GND+GNDA.Cu w0.2: Q5.1 40.54,12.66 43.16,12.66 43.37,12.88 43.37,14.28
/EPAPER DRIVER/PREVGH: length 25.5
  L1_GND+GNDA.Cu w0.2: 52.87,11.12 52.87,10.2 52.6,9.93 50.77,9.93 v1(50.7,9.85) ; 32.1,11.7 32.9,10.9 C22.2 33.76,9.5 33.76,9.44 v1(33.8,9.4)
  L2_3v3+GNDA.Cu w0.2: v1(50.7,9.85) 50.2,10.35 34.75,10.35 v1(33.8,9.4)
/EPAPER DRIVER/PREVGL: length 3.6
  L1_GND+GNDA.Cu w0.2: 53.95,11.17 53.95,10.5 54.77,9.68 55.85,9.68 D11.2
/EPAPER DRIVER/RESE: length 10.6
  L1_GND+GNDA.Cu w0.2: R32.1 39.14,15.41 38.8,15.75 38.25,15.2 38.25,14.88 38.2,14.83 38.2,13.97 38.25,13.92 38.33,13.92 38.8,13.45 39.24,13.45 40.49,12.2 43.4,12.2 43.85,11.75 43.85,11.17
/EPAPER DRIVER/VCOM: length 13.5
  L1_GND+GNDA.Cu w0.2: v1(64.25,19.05) 60.54,19.05 59.98,18.49 59.98,17.24 57.94,15.2 54.87,15.2 54.35,14.67 54.35,14.15
  L6_GND.Cu w0.2: v1(64.25,19.05) 64.25,19.5 64.2,19.55
/EPAPER DRIVER/VGH: length 10.7
  L1_GND+GNDA.Cu w0.2: v1(40.79,13.22) 40.79,14.59 41.5,15.3 42.2,15.3 43.55,16.65 ; J10.5 44.65,11.4 v1(44.65,12.6)
  L3_3v8+GNDA.Cu w0.2: v1(40.79,13.22) 41.41,12.6 v1(44.65,12.6)
/EPAPER DRIVER/VGL: length 4
  L1_GND+GNDA.Cu w0.2: 46.3,17.3 46.3,16.95 44.4,15.05 J10.4
/EPAPER DRIVER/VPP: length 4
  L1_GND+GNDA.Cu w0.2: J10.19 51.9,11.7 52.6,12.4 v1(53.85,12.4)
  L6_GND.Cu w0.2: v1(53.85,12.4) 54.15,12.7 54.9,12.7
/EPAPER DRIVER/VSH: length 11.6
  L6_GND.Cu w0.2: v1(52.17,13.38) 52.17,14.1 53.86,15.78 53.86,18.59 53.99,18.72 54.12,18.72 54.17,18.77 58.62,18.77 59.25,19.4
/EPAPER DRIVER/VSL: length 8.6
  L1_GND+GNDA.Cu w0.2: C27.1 57.74,9.93 57.37,9.93 57,10.3 57,11.2 55.25,12.95 53.6,12.95 53.33,13.22 53.33,13.92
/EPD_BUSY: length 47.7
  L1_GND+GNDA.Cu w0.2: J10.9 46.9,11.83 v1(47.07,12)
  L3_3v8+GNDA.Cu w0.2: v1(28.76,17.63) 30.14,16.25 35.15,16.25 35.6,16.7 36.49,16.7 41.5,11.7 46.77,11.7 v1(47.07,12)
  L6_GND.Cu w0.2: v1(28.76,17.63) 28.76,19.19 25.27,22.68 23.32,22.68 22.75,23.25 22.75,24.76 19.85,27.66 19.85,28.74 19.95,28.84 19.95,29.66 18.9,30.71 18.9,35.13 20.1,36.33 20.1,37.3
/EPD_CS: length 62.6
  L3_3v8+GNDA.Cu w0.2: v1(21.79,39.23) 22.6,40.04 28.37,40.04 39.91,28.5 46.24,28.5 v1(49.87,32.13)
  L6_GND.Cu w0.18: 51.45,23.63 51.45,24.29 ; U8.18 51.45,25.74
  L6_GND.Cu w0.2: v1(21.79,39.23) 21.79,38.98 22.1,38.67 22.1,37.25 ; v1(49.87,32.13) 49.87,29.62 51.33,28.16 51.33,26.82 51.69,26.47 51.69,25.97 51.45,25.74 ; 51.45,23.63 51.55,23.53 53.22,23.53 54.24,24.55 56.65,24.55 62.3,30.2 63.03,30.2 64.45,31.62
/EPD_DC: length 40.2
  L3_3v8+GNDA.Cu w0.2: v1(50.4,28.26) 49.56,29.1 48.5,29.1 47.5,28.1 39.74,28.1 30.1,37.75 27.06,37.75 26.59,37.28 26.07,37.28 25.39,37.96 22.02,37.96 v1(21.38,38.6)
  L6_GND.Cu w0.18: U8.17 51.05,25.51
  L6_GND.Cu w0.2: 51.05,25.51 50.56,26 50.56,28.1 v1(50.4,28.26) ; v1(21.38,38.6) 21.6,38.38 21.6,37.25
/EPD_RESET: length 60.2
  L2_3v3+GNDA.Cu w0.2: v1(58.3,32.7) 57.01,31.41 49.06,31.41 49.03,31.38 ; v1(20.38,35.32) 21.23,34.47 22.87,34.47 23.5,35.1 27.84,35.1 28.06,35.32 37.23,35.32 43.9,28.65 46.3,28.65 49.03,31.38 ; 49.03,31.38 49.03,31.57 v1(48.45,32.15)
  L6_GND.Cu w0.18: U8.14 49.85,24.98
  L6_GND.Cu w0.2: v1(48.45,32.15) 48.45,29.66 47.8,29.01 47.8,27.8 48.65,26.95 48.65,25.8 49.29,25.17 49.66,25.17 49.85,24.98 ; 20.6,37.4 20.6,36.34 20.37,36.1 20.37,35.33 v1(20.38,35.32) ; 62.79,33.2 58.8,33.2 v1(58.3,32.7)
/GPIO1: length 12.2
  L1_GND+GNDA.Cu w0.2: GPIO1.1 28.55,23 v1(28.55,23.19)
  L5_3v8.Cu w0.2: v1(20.95,24.65) 21.9,23.7 28.04,23.7 v1(28.55,23.19)
  L6_GND.Cu w0.2: v1(20.95,24.65) 20.95,23.75 20.1,22.9 20.1,21.95
/GPIO3: length 16.7
  L1_GND+GNDA.Cu w0.2: v1(27.62,22.8) 27.62,21.53 29.15,20
  L5_3v8.Cu w0.2: v1(20,24.65) 20.9,23.75 20.9,22.19 21.34,21.75 26.57,21.75 v1(27.62,22.8)
  L6_GND.Cu w0.2: v1(20,24.65) 19.1,23.75 19.1,21.95
/GPIO4: length 6.5
  L6_GND.Cu w0.2: 2.85,32.2 3.48,31.57 5.34,31.57 6.41,30.5 6.84,30.5 7.24,30.1 8.45,30.1
/LED_1A: length 71.6
  L2_3v3+GNDA.Cu w0.2: v1(15.35,18.75) 15.35,18.09 18.56,14.89 21.19,14.89 21.85,15.55 24.94,15.55 28.4,19 35.88,19 38.83,16.05 44.56,16.05 45.86,17.35 48.69,17.35 48.89,17.55 52.79,17.55 53.01,17.32 60.3,17.32 v1(60.51,17.11)
  L6_GND.Cu w0.2: 67.1,27.3 68.75,25.65 68.75,20.63 65.24,17.11 v1(60.51,17.11) ; v1(15.35,18.75) 14.1,20 14.1,21.95